# KiCad board pmic_panel.kicad_pcb (continued)
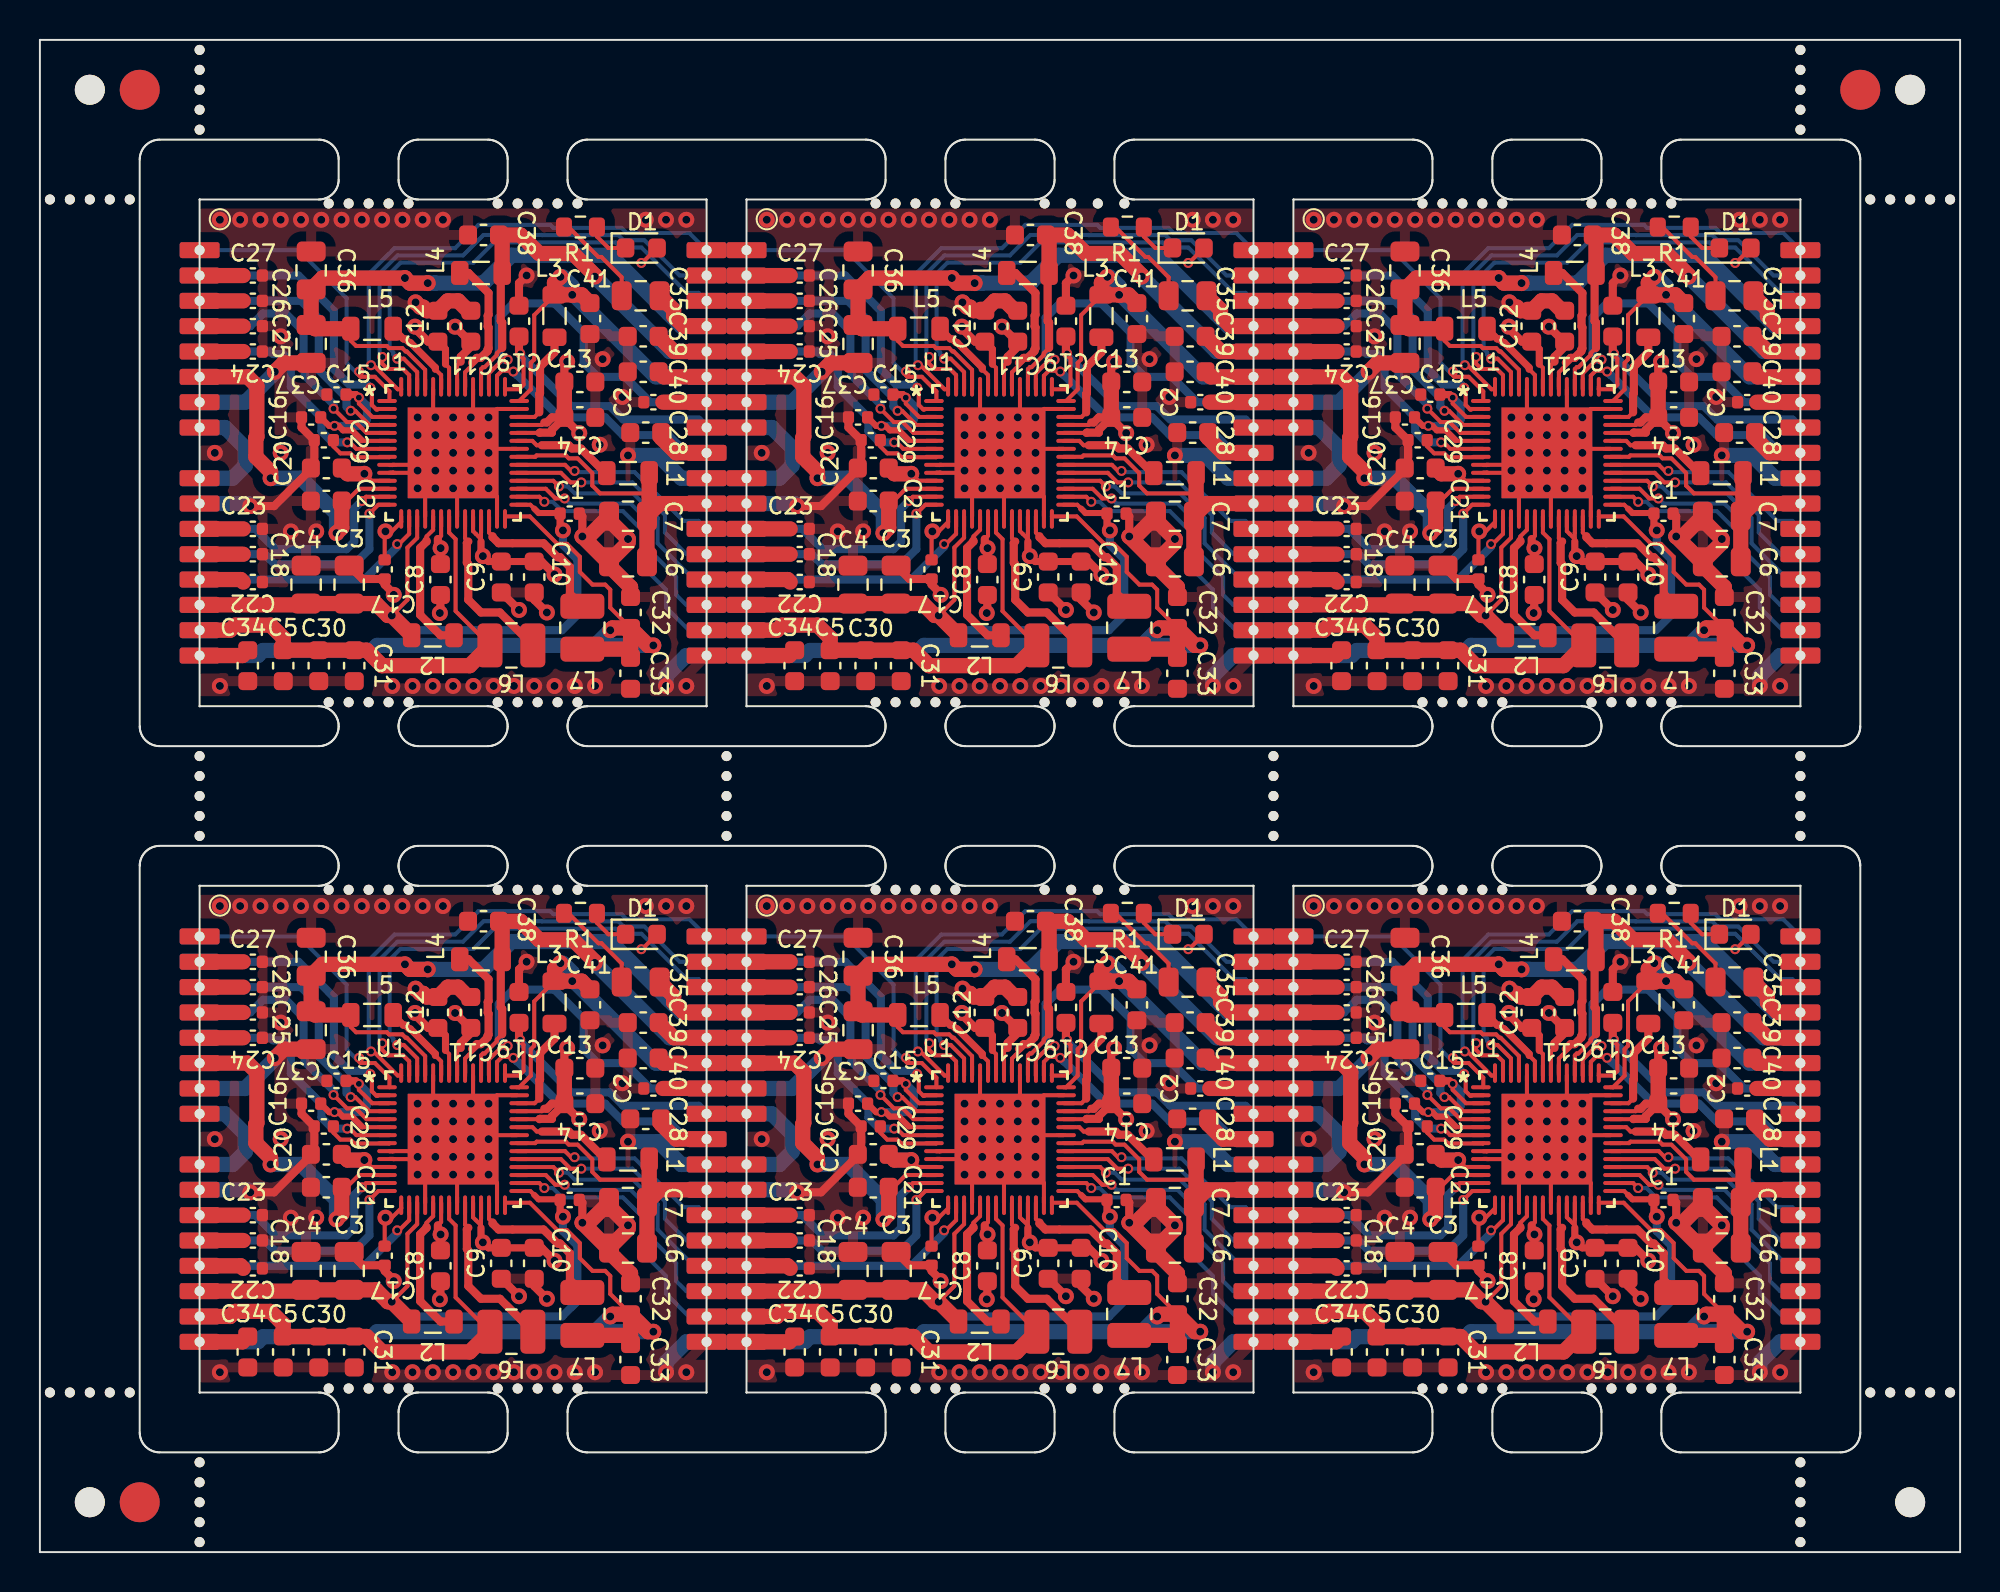
[diagram p0: board, top side]
## Placement (name value [footprint] x y rotation side) (continued)
KiKit_MB_24_3  -  [NPTH]  79.73 8.2 0 top
KiKit_MB_24_4  -  [NPTH]  78.73 8.2 0 top
KiKit_MB_24_5  -  [NPTH]  77.73 8.2 0 top
KiKit_MB_25_2  -  [NPTH]  8 39.9 0 top
KiKit_MB_25_3  -  [NPTH]  8 38.9 0 top
KiKit_MB_25_4  -  [NPTH]  8 37.9 0 top
KiKit_MB_25_5  -  [NPTH]  8 36.9 0 top
KiKit_MB_25_6  -  [NPTH]  8 35.9 0 top
KiKit_MB_26_2  -  [NPTH]  34.4 39.9 0 top
KiKit_MB_26_3  -  [NPTH]  34.4 38.9 0 top
KiKit_MB_26_4  -  [NPTH]  34.4 37.9 0 top
KiKit_MB_26_5  -  [NPTH]  34.4 36.9 0 top
KiKit_MB_26_6  -  [NPTH]  34.4 35.9 0 top
KiKit_MB_27_2  -  [NPTH]  61.8 35.9 0 top
KiKit_MB_27_3  -  [NPTH]  61.8 36.9 0 top
KiKit_MB_27_4  -  [NPTH]  61.8 37.9 0 top
KiKit_MB_27_5  -  [NPTH]  61.8 38.9 0 top
KiKit_MB_27_6  -  [NPTH]  61.8 39.9 0 top
KiKit_MB_28_2  -  [NPTH]  88.2 39.9 0 top
KiKit_MB_28_3  -  [NPTH]  88.2 38.9 0 top
KiKit_MB_28_4  -  [NPTH]  88.2 37.9 0 top
KiKit_MB_28_5  -  [NPTH]  88.2 36.9 0 top
KiKit_MB_28_6  -  [NPTH]  88.2 35.9 0 top
KiKit_MB_29_2  -  [NPTH]  8 75.3 0 top
KiKit_MB_29_3  -  [NPTH]  8 74.3 0 top
KiKit_MB_29_4  -  [NPTH]  8 73.3 0 top
KiKit_MB_29_5  -  [NPTH]  8 72.3 0 top
KiKit_MB_29_6  -  [NPTH]  8 71.3 0 top
KiKit_MB_30_2  -  [NPTH]  88.2 75.3 0 top
KiKit_MB_30_3  -  [NPTH]  88.2 74.3 0 top
KiKit_MB_30_4  -  [NPTH]  88.2 73.3 0 top
KiKit_MB_30_5  -  [NPTH]  88.2 72.3 0 top
KiKit_MB_30_6  -  [NPTH]  88.2 71.3 0 top
KiKit_MB_31_2  -  [NPTH]  8 4.5 0 top
KiKit_MB_31_3  -  [NPTH]  8 3.5 0 top
KiKit_MB_31_4  -  [NPTH]  8 2.5 0 top
KiKit_MB_31_5  -  [NPTH]  8 1.5 0 top
KiKit_MB_31_6  -  [NPTH]  8 0.5 0 top
KiKit_MB_32_2  -  [NPTH]  88.2 4.5 0 top
KiKit_MB_32_3  -  [NPTH]  88.2 3.5 0 top
KiKit_MB_32_4  -  [NPTH]  88.2 2.5 0 top
KiKit_MB_32_5  -  [NPTH]  88.2 1.5 0 top
KiKit_MB_32_6  -  [NPTH]  88.2 0.5 0 top
KiKit_MB_33_2  -  [NPTH]  0.5 67.8 0 top
KiKit_MB_33_3  -  [NPTH]  1.5 67.8 0 top
KiKit_MB_33_4  -  [NPTH]  2.5 67.8 0 top
KiKit_MB_33_5  -  [NPTH]  3.5 67.8 0 top
KiKit_MB_33_6  -  [NPTH]  4.5 67.8 0 top
KiKit_MB_34_2  -  [NPTH]  0.5 8 0 top
KiKit_MB_34_3  -  [NPTH]  1.5 8 0 top
KiKit_MB_34_4  -  [NPTH]  2.5 8 0 top
KiKit_MB_34_5  -  [NPTH]  3.5 8 0 top
KiKit_MB_34_6  -  [NPTH]  4.5 8 0 top
KiKit_MB_35_2  -  [NPTH]  91.7 67.8 0 top
KiKit_MB_35_3  -  [NPTH]  92.7 67.8 0 top
KiKit_MB_35_4  -  [NPTH]  93.7 67.8 0 top
KiKit_MB_35_5  -  [NPTH]  94.7 67.8 0 top
KiKit_MB_35_6  -  [NPTH]  95.7 67.8 0 top
KiKit_MB_36_2  -  [NPTH]  91.7 8 0 top
KiKit_MB_36_3  -  [NPTH]  92.7 8 0 top
KiKit_MB_36_4  -  [NPTH]  93.7 8 0 top
KiKit_MB_36_5  -  [NPTH]  94.7 8 0 top
KiKit_MB_36_6  -  [NPTH]  95.7 8 0 top
KiKit_TO_1  -  [NPTH#2]  2.5 73.3 0 top
KiKit_TO_2  -  [NPTH#2]  93.7 73.3 0 top
KiKit_TO_3  -  [NPTH#2]  2.5 2.5 0 top
KiKit_TO_4  -  [NPTH#2]  93.7 2.5 0 top
L1  DFE201610E-2R2M=P2 / 2.2u  [L_0805_2012Metric]  29.46 54.08 0 top
L1#2  DFE201610E-2R2M=P2 / 2.2u  [L_0805_2012Metric]  29.46 19.68 0 top
L1#3  DFE201610E-2R2M=P2 / 2.2u  [L_0805_2012Metric]  56.86 19.68 0 top
L1#4  DFE201610E-2R2M=P2 / 2.2u  [L_0805_2012Metric]  84.26 19.68 0 top
L1#5  DFE201610E-2R2M=P2 / 2.2u  [L_0805_2012Metric]  56.86 54.08 0 top
L1#6  DFE201610E-2R2M=P2 / 2.2u  [L_0805_2012Metric]  84.26 54.08 0 top
L2  DFE201610E-2R2M=P2 / 2.2u  [L_0805_2012Metric]  19.68 45.96 0 top
L2#2  DFE201610E-2R2M=P2 / 2.2u  [L_0805_2012Metric]  47.08 11.56 0 top
L2#3  DFE201610E-2R2M=P2 / 2.2u  [L_0805_2012Metric]  19.68 11.56 0 top
L2#4  DFE201610E-2R2M=P2 / 2.2u  [L_0805_2012Metric]  74.48 11.56 0 top
L2#5  DFE201610E-2R2M=P2 / 2.2u  [L_0805_2012Metric]  74.48 45.96 0 top
L2#6  DFE201610E-2R2M=P2 / 2.2u  [L_0805_2012Metric]  47.08 45.96 0 top
L3  DFE201610E-R68M=P2 / 0.68u  [L_0805_2012Metric]  25.78 61.96 90 top
L3#2  DFE201610E-R68M=P2 / 0.68u  [L_0805_2012Metric]  53.18 61.96 90 top
L3#3  DFE201610E-R68M=P2 / 0.68u  [L_0805_2012Metric]  80.58 27.56 90 top
L3#4  DFE201610E-R68M=P2 / 0.68u  [L_0805_2012Metric]  80.58 61.96 90 top
L3#5  DFE201610E-R68M=P2 / 0.68u  [L_0805_2012Metric]  25.78 27.56 90 top
L3#6  DFE201610E-R68M=P2 / 0.68u  [L_0805_2012Metric]  53.18 27.56 90 top
L4  DFE201610E-R68M=P2 / 0.68u  [L_0805_2012Metric]  76.9 64.12 0 top
L4#2  DFE201610E-R68M=P2 / 0.68u  [L_0805_2012Metric]  76.9 29.72 0 top
L4#3  DFE201610E-R68M=P2 / 0.68u  [L_0805_2012Metric]  49.5 29.72 0 top
L4#4  DFE201610E-R68M=P2 / 0.68u  [L_0805_2012Metric]  22.1 29.72 0 top
L4#5  DFE201610E-R68M=P2 / 0.68u  [L_0805_2012Metric]  22.1 64.12 0 top
L4#6  DFE201610E-R68M=P2 / 0.68u  [L_0805_2012Metric]  49.5 64.12 0 top
L5  DFE201610E-R68M=P2 / 0.68u  [L_0805_2012Metric]  16.64 26.92 180 top
L5#2  DFE201610E-R68M=P2 / 0.68u  [L_0805_2012Metric]  71.44 61.32 180 top
L5#3  DFE201610E-R68M=P2 / 0.68u  [L_0805_2012Metric]  16.64 61.32 180 top
L5#4  DFE201610E-R68M=P2 / 0.68u  [L_0805_2012Metric]  71.44 26.92 180 top
L5#5  DFE201610E-R68M=P2 / 0.68u  [L_0805_2012Metric]  44.04 61.32 180 top
L5#6  DFE201610E-R68M=P2 / 0.68u  [L_0805_2012Metric]  44.04 26.92 180 top
L6  DFE252012F-R68M=P2 / 0.68u  [L_1008_2520Metric]  78.42 11.05 0 top
L6#2  DFE252012F-R68M=P2 / 0.68u  [L_1008_2520Metric]  51.02 45.45 0 top
L6#3  DFE252012F-R68M=P2 / 0.68u  [L_1008_2520Metric]  78.42 45.45 0 top
L6#4  DFE252012F-R68M=P2 / 0.68u  [L_1008_2520Metric]  51.02 11.05 0 top
L6#5  DFE252012F-R68M=P2 / 0.68u  [L_1008_2520Metric]  23.62 45.45 0 top
L6#6  DFE252012F-R68M=P2 / 0.68u  [L_1008_2520Metric]  23.62 11.05 0 top
L7  DFE252012F-R68M=P2 / 0.68u  [L_1008_2520Metric]  27.18 46.34 90 top
L7#2  DFE252012F-R68M=P2 / 0.68u  [L_1008_2520Metric]  54.58 11.94 90 top
L7#3  DFE252012F-R68M=P2 / 0.68u  [L_1008_2520Metric]  54.58 46.34 90 top
L7#4  DFE252012F-R68M=P2 / 0.68u  [L_1008_2520Metric]  27.18 11.94 90 top
L7#5  DFE252012F-R68M=P2 / 0.68u  [L_1008_2520Metric]  81.98 46.34 90 top
L7#6  DFE252012F-R68M=P2 / 0.68u  [L_1008_2520Metric]  81.98 11.94 90 top
R1  1k  [R_0603_1608Metric]  54.48 66.42 180 top
R1#2  1k  [R_0603_1608Metric]  81.88 66.42 180 top
R1#3  1k  [R_0603_1608Metric]  27.08 66.42 180 top
R1#4  1k  [R_0603_1608Metric]  27.08 32.02 180 top
R1#5  1k  [R_0603_1608Metric]  81.88 32.02 180 top
R1#6  1k  [R_0603_1608Metric]  54.48 32.02 180 top
U1  STPMIC25BPQR  [WFQFN56L_6p5x6p5x0p9_STM]  75.5 55.1 0 top
U1#2  STPMIC25BPQR  [WFQFN56L_6p5x6p5x0p9_STM]  48.1 55.1 0 top
U1#3  STPMIC25BPQR  [WFQFN56L_6p5x6p5x0p9_STM]  20.7 20.7 0 top
U1#4  STPMIC25BPQR  [WFQFN56L_6p5x6p5x0p9_STM]  75.5 20.7 0 top
U1#5  STPMIC25BPQR  [WFQFN56L_6p5x6p5x0p9_STM]  48.1 20.7 0 top
U1#6  STPMIC25BPQR  [WFQFN56L_6p5x6p5x0p9_STM]  20.7 55.1 0 top
U2  ~  [jc_pmic_module]  20.7 20.7 0 top
U2#2  ~  [jc_pmic_module]  20.7 55.1 0 top
U2#3  ~  [jc_pmic_module]  75.5 55.1 0 top
U2#4  ~  [jc_pmic_module]  75.5 20.7 0 top
U2#5  ~  [jc_pmic_module]  48.1 55.1 0 top
U2#6  ~  [jc_pmic_module]  48.1 20.7 0 top

## Library data of the parts
C1 C1#2-C1#6 C2 C2#2-C2#6 C3 C3#2-C3#6 C4 C4#2-C4#6 C5 C5#2-C5#6 C6 C6#2-C6#6 C7 C7#2-C7#6 C8 C8#2-C8#6 C9 C9#2-C9#6 C10 C10#2-C10#6 C11 C11#2-C11#6 C12 C12#2-C12#6 C13 C13#2-C13#6 C14 C14#2-C14#6 C15 C15#2-C15#6 C16 C16#2-C16#6 C17 C17#2-C17#6 C18 C18#2-C18#6 C19 C19#2-C19#6 C20 C20#2-C20#6 C21 C21#2-C21#6 C22 C22#2-C22#6 C23 C23#2-C23#6 C24 C24#2-C24#6 C25 C25#2-C25#6 C26 C26#2-C26#6 C27 C27#2-C27#6 C28 C28#2-C28#6 C29 C29#2-C29#6 C30 C30#2-C30#6 C31 C31#2-C31#6 C32 C32#2-C32#6 C33 C33#2-C33#6 C34 C34#2-C34#6 C35 C35#2-C35#6 C36 C36#2-C36#6 C37 C37#2-C37#6 C38 C38#2-C38#6 C39 C39#2-C39#6 C40 C40#2-C40#6 C41 C41#2-C41#6 = -: Description: Unpolarized capacitor
D1 D1#2-D1#6 = -: Description: Light emitting diode; Sim.Pins: 1=K 2=A
L1 L1#2-L1#6 L2 L2#2-L2#6 L3 L3#2-L3#6 L4 L4#2-L4#6 L5 L5#2-L5#6 L6 L6#2-L6#6 L7 L7#2-L7#6 = -: Description: Inductor
R1 R1#2-R1#6 = -: Description: Resistor
U1 U1#2-U1#6 = -: Datasheet: https://www.st.com/resource/en/datasheet/stpmic25.pdf

## Footprints (pads in the part's own frame, mm; a bottom-side part is the same pattern mirrored in y, then rotated)
C_0402_1005Metric
  rrect 0.56x0.62 smd: 1(-0.48,0) 2(0.48,0)
C_0603_1608Metric
  rrect 0.9x0.95 smd: 1(-0.775,0) 2(0.775,0)
C_0805_2012Metric
  rrect 1x1.45 smd: 1(-0.95,0) 2(0.95,0)
Fiducial
  round 2 smd: (0,0)
jc_pmic_module
  rrect 2x0.8 hole 0.5: 1(-12.7,10.16) 2(-12.7,8.89) 3(-12.7,7.62) 4(-12.7,6.35) 5(-12.7,5.08) 6(-12.7,3.81) 7(-12.7,2.54) 8(-12.7,1.27) 9(-12.7,-1.27) 10(-12.7,-2.54) 11(-12.7,-3.81) 12(-12.7,-5.08) 13(-12.7,-6.35) 14(-12.7,-7.62) 15(-12.7,-8.89) 16(-12.7,-10.16) 17(12.7,-10.16) 18(12.7,-8.89) 19(12.7,-7.62) 20(12.7,-6.35) 21(12.7,-5.08) 22(12.7,-3.81) 23(12.7,-2.54) 24(12.7,-1.27) 25(12.7,0) 26(12.7,1.27) 27(12.7,2.54) 28(12.7,3.81) 29(12.7,5.08) 30(12.7,6.35) 31(12.7,7.62) 32(12.7,8.89) 33(12.7,10.16)
  rect 4.546x4.546 smd far side: 34(0,0)
L_0805_2012Metric
  rrect 0.875x1.2 smd: 1(-1.062,0) 2(1.062,0)
L_1008_2520Metric
  rrect 1.25x2.2 smd: 1(-1.075,0) 2(1.075,0)
LED_0603_1608Metric
  rrect 0.875x0.95 smd: 1(-0.787,0) 2(0.787,0)
NPTH
  round 0.5 hole 0.5 unplated: (0,0)
NPTH#2
  round 1.5 hole 1.5 unplated: (0,0)
R_0603_1608Metric
  rrect 0.8x0.95 smd: 1(-0.825,0) 2(0.825,0)
WFQFN56L_6p5x6p5x0p9_STM
  rrect 0.983x0.2 smd: 1(-3.311,2.6) 2(-3.311,2.2) 3(-3.311,1.8) 4(-3.311,1.4) 5(-3.311,1) 6(-3.311,0.6) 7(-3.311,0.2) 8(-3.311,-0.2) 9(-3.311,-0.6) 10(-3.311,-1) 11(-3.311,-1.4) 12(-3.311,-1.8) 13(-3.311,-2.2) 14(-3.311,-2.6) 29(3.311,-2.6) 30(3.311,-2.2) 31(3.311,-1.8) 32(3.311,-1.4) 33(3.311,-1) 34(3.311,-0.6) 35(3.311,-0.2) 36(3.311,0.2) 37(3.311,0.6) 38(3.311,1) 39(3.311,1.4) 40(3.311,1.8) 41(3.311,2.2) 42(3.311,2.6)
  rrect 0.2x0.983 smd: 15(-2.6,-3.311) 16(-2.2,-3.311) 17(-1.8,-3.311) 18(-1.4,-3.311) 19(-1,-3.311) 20(-0.6,-3.311) 21(-0.2,-3.311) 22(0.2,-3.311) 23(0.6,-3.311) 24(1,-3.311) 25(1.4,-3.311) 26(1.8,-3.311) 27(2.2,-3.311) 28(2.6,-3.311) 43(2.6,3.311) 44(2.2,3.311) 45(1.8,3.311) 46(1.4,3.311) 47(1,3.311) 48(0.6,3.311) 49(0.2,3.311) 50(-0.2,3.311) 51(-0.6,3.311) 52(-1,3.311) 53(-1.4,3.311) 54(-1.8,3.311) 55(-2.2,3.311) 56(-2.6,3.311)
  rect 4.547x4.547 smd: 57(0,0)

## Nets
Board_0-GND: C1#5.2 C2.2 C3#5.2 C4.2 C5.2 C6#3.2 C7#6.2 C8#2.2 C9#2.2 C10#2.2 C11#2.2 C12#6.2 C13.2 C14#2.2 C15#5.2 C16#6.2 C17#3.2 C18#4.2 C19#2.2 C20#5.2 C21#4.2 C22#6.2 C23.2 C24#5.2 C25#4.2 C26#3.2 C27#4.2 C28.2 C29#3.2 C30#2.2 C31#3.2 C32.2 C33#5.2 C34.2 C35#4.2 C36#3.2 C37#3.2 C38.2 C39#6.2 C40#5.2 C41#2.2 R1#3.2 U1#6.9 U1#6.10 U1#6.18 U1#6.22 U1#6.27 U1#6.36 U1#6.41 U1#6.47 U1#6.52 U1#6.57 U2#2.7 U2#2.10 U2#2.17 U2#2.24 U2#2.34
Board_0-INTLDO: C29#3.1 U1#6.8
Board_0-INTN: U1#6.32 U2#2.20
Board_0-LDO1OUT: C18#4.1 U1#6.14 U2#2.12
Board_0-LDO2OUT: C22#6.1 U1#6.16 U2#2.13
Board_0-LDO3IN: C19#2.1 U1#6.43 U2#2.26
Board_0-LDO3OUT: C28.1 U1#6.44 U2#2.25
Board_0-LDO4OUT: C23.1 U1#6.13 U2#2.11
Board_0-LDO5OUT: C24#5.1 U1#6.7 U2#2.5
Board_0-LDO6OUT: C25#4.1 U1#6.5 U2#2.4
Board_0-LDO7OUT: C26#3.1 U1#6.4 U2#2.3
Board_0-LDO8OUT: C27#4.1 U1#6.2 U2#2.2
Board_0-Net-(D1-K): D1.1 R1#3.1
Board_0-Net-(U1-VLX1): L3.1 U1#6.40
Board_0-Net-(U1-VLX2): L7.2 U1#6.26
Board_0-Net-(U1-VLX3): L6#5.2 U1#6.23
Board_0-Net-(U1-VLX4): L2.2 U1#6.19
Board_0-Net-(U1-VLX5): L1.1 U1#6.37
Board_0-Net-(U1-VLX6): L4#5.1 U1#6.48
Board_0-Net-(U1-VLX7): L5#3.1 U1#6.51
Board_0-PONKEYN: U1#6.1 U2#2.1
Board_0-PWRCTRL1: U1#6.56 U2#2.33
Board_0-PWRCTRL2: U1#6.55 U2#2.32
Board_0-PWRCTRL3: U1#6.54 U2#2.31
Board_0-RSTN: U1#6.31 U2#2.19
Board_0-SCL: U1#6.33 U2#2.21
Board_0-SDA: U1#6.34 U2#2.22
Board_0-VBUS: C21#4.1 U1#6.12 U2#2.6
Board_0-VIN: C8#2.1 C9#2.1 C10#2.1 C11#2.1 C12#6.1 C13.1 C14#2.1 C15#5.1 C16#6.1 C17#3.1 C20#5.1 U1#6.3 U1#6.6 U1#6.11 U1#6.15 U1#6.20 U1#6.24 U1#6.25 U1#6.38 U1#6.39 U1#6.49 U1#6.50 U2#2.8 U2#2.9
Board_0-VOUT1: C40#5.1 C41#2.1 L3.2 U1#6.42 U2#2.28
Board_0-VOUT2: C32.1 C33#5.1 C34.1 L7.1 U1#6.28 U2#2.16
Board_0-VOUT3: C5.1 C30#2.1 C31#3.1 L6#5.1 U1#6.21 U2#2.15
Board_0-VOUT4: C1#5.1 C3#5.1 C4.1 D1.2 L2.1 U1#6.17 U1#6.29 U2#2.14
Board_0-VOUT5: C6#3.1 C7#6.1 L1.2 U1#6.35 U2#2.23
Board_0-VOUT6: C38.1 C39#6.1 L4#5.2 U1#6.46 U2#2.29
Board_0-VOUT7: C35#4.1 C36#3.1 C37#3.1 L5#3.2 U1#6.53 U2#2.30
Board_0-VREFDDR: C2.1 U1#6.45 U2#2.27
Board_0-WAKEUPN: U1#6.30 U2#2.18
Board_1-GND: C1#3.2 C2#5.2 C3#4.2 C4#2.2 C5#2.2 C6#6.2 C7#2.2 C8#6.2 C9#5.2 C10#3.2 C11#5.2 C12#5.2 C13#4.2 C14#4.2 C15#4.2 C16#3.2 C17.2 C18#5.2 C19.2 C20#4.2 C21#6.2 C22.2 C23#3.2 C24#4.2 C25#3.2 C26#6.2 C27#6.2 C28#4.2 C29#4.2 C30#3.2 C31#2.2 C32#3.2 C33#6.2 C34#6.2 C35#2.2 C36#6.2 C37#5.2 C38#4.2 C39#2.2 C40#6.2 C41#3.2 R1.2 U1#2.9 U1#2.10 U1#2.18 U1#2.22 U1#2.27 U1#2.36 U1#2.41 U1#2.47 U1#2.52 U1#2.57 U2#5.7 U2#5.10 U2#5.17 U2#5.24 U2#5.34
Board_1-INTLDO: C29#4.1 U1#2.8
Board_1-INTN: U1#2.32 U2#5.20
Board_1-LDO1OUT: C18#5.1 U1#2.14 U2#5.12
Board_1-LDO2OUT: C22.1 U1#2.16 U2#5.13
Board_1-LDO3IN: C19.1 U1#2.43 U2#5.26
Board_1-LDO3OUT: C28#4.1 U1#2.44 U2#5.25
Board_1-LDO4OUT: C23#3.1 U1#2.13 U2#5.11
Board_1-LDO5OUT: C24#4.1 U1#2.7 U2#5.5
Board_1-LDO6OUT: C25#3.1 U1#2.5 U2#5.4
Board_1-LDO7OUT: C26#6.1 U1#2.4 U2#5.3
Board_1-LDO8OUT: C27#6.1 U1#2.2 U2#5.2
Board_1-Net-(D1-K): D1#6.1 R1.1
Board_1-Net-(U1-VLX1): L3#2.1 U1#2.40
Board_1-Net-(U1-VLX2): L7#3.2 U1#2.26
Board_1-Net-(U1-VLX3): L6#2.2 U1#2.23
Board_1-Net-(U1-VLX4): L2#6.2 U1#2.19
Board_1-Net-(U1-VLX5): L1#5.1 U1#2.37
Board_1-Net-(U1-VLX6): L4#6.1 U1#2.48
Board_1-Net-(U1-VLX7): L5#5.1 U1#2.51
Board_1-PONKEYN: U1#2.1 U2#5.1
Board_1-PWRCTRL1: U1#2.56 U2#5.33
Board_1-PWRCTRL2: U1#2.55 U2#5.32
Board_1-PWRCTRL3: U1#2.54 U2#5.31
Board_1-RSTN: U1#2.31 U2#5.19
Board_1-SCL: U1#2.33 U2#5.21
Board_1-SDA: U1#2.34 U2#5.22
Board_1-VBUS: C21#6.1 U1#2.12 U2#5.6
Board_1-VIN: C8#6.1 C9#5.1 C10#3.1 C11#5.1 C12#5.1 C13#4.1 C14#4.1 C15#4.1 C16#3.1 C17.1 C20#4.1 U1#2.3 U1#2.6 U1#2.11 U1#2.15 U1#2.20 U1#2.24 U1#2.25 U1#2.38 U1#2.39 U1#2.49 U1#2.50 U2#5.8 U2#5.9
Board_1-VOUT1: C40#6.1 C41#3.1 L3#2.2 U1#2.42 U2#5.28
Board_1-VOUT2: C32#3.1 C33#6.1 C34#6.1 L7#3.1 U1#2.28 U2#5.16
Board_1-VOUT3: C5#2.1 C30#3.1 C31#2.1 L6#2.1 U1#2.21 U2#5.15
Board_1-VOUT4: C1#3.1 C3#4.1 C4#2.1 D1#6.2 L2#6.1 U1#2.17 U1#2.29 U2#5.14
Board_1-VOUT5: C6#6.1 C7#2.1 L1#5.2 U1#2.35 U2#5.23
Board_1-VOUT6: C38#4.1 C39#2.1 L4#6.2 U1#2.46 U2#5.29
Board_1-VOUT7: C35#2.1 C36#6.1 C37#5.1 L5#5.2 U1#2.53 U2#5.30
Board_1-VREFDDR: C2#5.1 U1#2.45 U2#5.27
Board_1-WAKEUPN: U1#2.30 U2#5.18
Board_2-GND: C1#6.2 C2#3.2 C3.2 C4#3.2 C5#3.2 C6#5.2 C7#3.2 C8.2 C9.2 C10#4.2 C11.2 C12.2 C13#2.2 C14.2 C15#2.2 C16#5.2 C17#2.2 C18#6.2 C19#3.2 C20#6.2 C21.2 C22#5.2 C23#2.2 C24#2.2 C25#6.2 C26.2 C27#5.2 C28#2.2 C29#5.2 C30.2 C31#6.2 C32#6.2 C33.2 C34#2.2 C35#5.2 C36#2.2 C37.2 C38#6.2 C39.2 C40#4.2 C41#6.2 R1#2.2 U1.9 U1.10 U1.18 U1.22 U1.27 U1.36 U1.41 U1.47 U1.52 U1.57 U2#3.7 U2#3.10 U2#3.17 U2#3.24 U2#3.34
Board_2-INTLDO: C29#5.1 U1.8
Board_2-INTN: U1.32 U2#3.20
Board_2-LDO1OUT: C18#6.1 U1.14 U2#3.12
Board_2-LDO2OUT: C22#5.1 U1.16 U2#3.13
Board_2-LDO3IN: C19#3.1 U1.43 U2#3.26
Board_2-LDO3OUT: C28#2.1 U1.44 U2#3.25
Board_2-LDO4OUT: C23#2.1 U1.13 U2#3.11
Board_2-LDO5OUT: C24#2.1 U1.7 U2#3.5
Board_2-LDO6OUT: C25#6.1 U1.5 U2#3.4
Board_2-LDO7OUT: C26.1 U1.4 U2#3.3
Board_2-LDO8OUT: C27#5.1 U1.2 U2#3.2
Board_2-Net-(D1-K): D1#4.1 R1#2.1
Board_2-Net-(U1-VLX1): L3#4.1 U1.40
Board_2-Net-(U1-VLX2): L7#5.2 U1.26
Board_2-Net-(U1-VLX3): L6#3.2 U1.23
Board_2-Net-(U1-VLX4): L2#5.2 U1.19
Board_2-Net-(U1-VLX5): L1#6.1 U1.37
Board_2-Net-(U1-VLX6): L4.1 U1.48
Board_2-Net-(U1-VLX7): L5#2.1 U1.51
Board_2-PONKEYN: U1.1 U2#3.1
Board_2-PWRCTRL1: U1.56 U2#3.33
Board_2-PWRCTRL2: U1.55 U2#3.32
Board_2-PWRCTRL3: U1.54 U2#3.31
Board_2-RSTN: U1.31 U2#3.19
Board_2-SCL: U1.33 U2#3.21
Board_2-SDA: U1.34 U2#3.22
Board_2-VBUS: C21.1 U1.12 U2#3.6
Board_2-VIN: C8.1 C9.1 C10#4.1 C11.1 C12.1 C13#2.1 C14.1 C15#2.1 C16#5.1 C17#2.1 C20#6.1 U1.3 U1.6 U1.11 U1.15 U1.20 U1.24 U1.25 U1.38 U1.39 U1.49 U1.50 U2#3.8 U2#3.9
Board_2-VOUT1: C40#4.1 C41#6.1 L3#4.2 U1.42 U2#3.28
Board_2-VOUT2: C32#6.1 C33.1 C34#2.1 L7#5.1 U1.28 U2#3.16
Board_2-VOUT3: C5#3.1 C30.1 C31#6.1 L6#3.1 U1.21 U2#3.15
Board_2-VOUT4: C1#6.1 C3.1 C4#3.1 D1#4.2 L2#5.1 U1.17 U1.29 U2#3.14
Board_2-VOUT5: C6#5.1 C7#3.1 L1#6.2 U1.35 U2#3.23
Board_2-VOUT6: C38#6.1 C39.1 L4.2 U1.46 U2#3.29
Board_2-VOUT7: C35#5.1 C36#2.1 C37.1 L5#2.2 U1.53 U2#3.30
Board_2-VREFDDR: C2#3.1 U1.45 U2#3.27
Board_2-WAKEUPN: U1.30 U2#3.18
Board_3-GND: C1#2.2 C2#2.2 C3#2.2 C4#6.2 C5#5.2 C6#4.2 C7#5.2 C8#4.2 C9#3.2 C10#5.2 C11#4.2 C12#4.2 C13#5.2 C14#5.2 C15#6.2 C16#4.2 C17#6.2 C18#3.2 C19#5.2 C20#3.2 C21#2.2 C22#3.2 C23#4.2 C24.2 C25.2 C26#5.2 C27.2 C28#5.2 C29.2 C30#4.2 C31#4.2 C32#4.2 C33#4.2 C34#3.2 C35.2 C36#4.2 C37#4.2 C38#5.2 C39#5.2 C40.2 C41.2 R1#4.2 U1#3.9 U1#3.10 U1#3.18 U1#3.22 U1#3.27 U1#3.36 U1#3.41 U1#3.47 U1#3.52 U1#3.57 U2.7 U2.10 U2.17 U2.24 U2.34
Board_3-INTLDO: C29.1 U1#3.8
Board_3-INTN: U1#3.32 U2.20
Board_3-LDO1OUT: C18#3.1 U1#3.14 U2.12
Board_3-LDO2OUT: C22#3.1 U1#3.16 U2.13
Board_3-LDO3IN: C19#5.1 U1#3.43 U2.26
Board_3-LDO3OUT: C28#5.1 U1#3.44 U2.25
Board_3-LDO4OUT: C23#4.1 U1#3.13 U2.11
Board_3-LDO5OUT: C24.1 U1#3.7 U2.5
Board_3-LDO6OUT: C25.1 U1#3.5 U2.4
Board_3-LDO7OUT: C26#5.1 U1#3.4 U2.3
Board_3-LDO8OUT: C27.1 U1#3.2 U2.2
Board_3-Net-(D1-K): D1#5.1 R1#4.1
Board_3-Net-(U1-VLX1): L3#5.1 U1#3.40
Board_3-Net-(U1-VLX2): L7#4.2 U1#3.26
Board_3-Net-(U1-VLX3): L6#6.2 U1#3.23
Board_3-Net-(U1-VLX4): L2#3.2 U1#3.19
Board_3-Net-(U1-VLX5): L1#2.1 U1#3.37
Board_3-Net-(U1-VLX6): L4#4.1 U1#3.48
Board_3-Net-(U1-VLX7): L5.1 U1#3.51
Board_3-PONKEYN: U1#3.1 U2.1
Board_3-PWRCTRL1: U1#3.56 U2.33
Board_3-PWRCTRL2: U1#3.55 U2.32
Board_3-PWRCTRL3: U1#3.54 U2.31
Board_3-RSTN: U1#3.31 U2.19
Board_3-SCL: U1#3.33 U2.21
Board_3-SDA: U1#3.34 U2.22
Board_3-VBUS: C21#2.1 U1#3.12 U2.6
Board_3-VIN: C8#4.1 C9#3.1 C10#5.1 C11#4.1 C12#4.1 C13#5.1 C14#5.1 C15#6.1 C16#4.1 C17#6.1 C20#3.1 U1#3.3 U1#3.6 U1#3.11 U1#3.15 U1#3.20 U1#3.24 U1#3.25 U1#3.38 U1#3.39 U1#3.49 U1#3.50 U2.8 U2.9
Board_3-VOUT1: C40.1 C41.1 L3#5.2 U1#3.42 U2.28
Board_3-VOUT2: C32#4.1 C33#4.1 C34#3.1 L7#4.1 U1#3.28 U2.16
Board_3-VOUT3: C5#5.1 C30#4.1 C31#4.1 L6#6.1 U1#3.21 U2.15
Board_3-VOUT4: C1#2.1 C3#2.1 C4#6.1 D1#5.2 L2#3.1 U1#3.17 U1#3.29 U2.14
Board_3-VOUT5: C6#4.1 C7#5.1 L1#2.2 U1#3.35 U2.23
Board_3-VOUT6: C38#5.1 C39#5.1 L4#4.2 U1#3.46 U2.29
Board_3-VOUT7: C35.1 C36#4.1 C37#4.1 L5.2 U1#3.53 U2.30
Board_3-VREFDDR: C2#2.1 U1#3.45 U2.27
Board_3-WAKEUPN: U1#3.30 U2.18
Board_4-GND: C1#4.2 C2#6.2 C3#6.2 C4#4.2 C5#4.2 C6#2.2 C7#4.2 C8#5.2 C9#4.2 C10.2 C11#6.2 C12#3.2 C13#6.2 C14#3.2 C15.2 C16.2 C17#4.2 C18#2.2 C19#6.2 C20#2.2 C21#3.2 C22#4.2 C23#6.2 C24#6.2 C25#5.2 C26#2.2 C27#3.2 C28#3.2 C29#6.2 C30#6.2 C31#5.2 C32#2.2 C33#3.2 C34#4.2 C35#3.2 C36.2 C37#6.2 C38#3.2 C39#3.2 C40#3.2 C41#5.2 R1#6.2 U1#5.9 U1#5.10 U1#5.18 U1#5.22 U1#5.27 U1#5.36 U1#5.41 U1#5.47 U1#5.52 U1#5.57 U2#6.7 U2#6.10 U2#6.17 U2#6.24 U2#6.34
Board_4-INTLDO: C29#6.1 U1#5.8
Board_4-INTN: U1#5.32 U2#6.20
Board_4-LDO1OUT: C18#2.1 U1#5.14 U2#6.12
Board_4-LDO2OUT: C22#4.1 U1#5.16 U2#6.13
Board_4-LDO3IN: C19#6.1 U1#5.43 U2#6.26
Board_4-LDO3OUT: C28#3.1 U1#5.44 U2#6.25
Board_4-LDO4OUT: C23#6.1 U1#5.13 U2#6.11
Board_4-LDO5OUT: C24#6.1 U1#5.7 U2#6.5
Board_4-LDO6OUT: C25#5.1 U1#5.5 U2#6.4
Board_4-LDO7OUT: C26#2.1 U1#5.4 U2#6.3
Board_4-LDO8OUT: C27#3.1 U1#5.2 U2#6.2
Board_4-Net-(D1-K): D1#3.1 R1#6.1
Board_4-Net-(U1-VLX1): L3#6.1 U1#5.40
Board_4-Net-(U1-VLX2): L7#2.2 U1#5.26
Board_4-Net-(U1-VLX3): L6#4.2 U1#5.23
Board_4-Net-(U1-VLX4): L2#2.2 U1#5.19
Board_4-Net-(U1-VLX5): L1#3.1 U1#5.37
Board_4-Net-(U1-VLX6): L4#3.1 U1#5.48
Board_4-Net-(U1-VLX7): L5#6.1 U1#5.51
Board_4-PONKEYN: U1#5.1 U2#6.1
Board_4-PWRCTRL1: U1#5.56 U2#6.33
Board_4-PWRCTRL2: U1#5.55 U2#6.32
Board_4-PWRCTRL3: U1#5.54 U2#6.31
Board_4-RSTN: U1#5.31 U2#6.19
Board_4-SCL: U1#5.33 U2#6.21
Board_4-SDA: U1#5.34 U2#6.22
Board_4-VBUS: C21#3.1 U1#5.12 U2#6.6
Board_4-VIN: C8#5.1 C9#4.1 C10.1 C11#6.1 C12#3.1 C13#6.1 C14#3.1 C15.1 C16.1 C17#4.1 C20#2.1 U1#5.3 U1#5.6 U1#5.11 U1#5.15 U1#5.20 U1#5.24 U1#5.25 U1#5.38 U1#5.39 U1#5.49 U1#5.50 U2#6.8 U2#6.9
Board_4-VOUT1: C40#3.1 C41#5.1 L3#6.2 U1#5.42 U2#6.28
Board_4-VOUT2: C32#2.1 C33#3.1 C34#4.1 L7#2.1 U1#5.28 U2#6.16
Board_4-VOUT3: C5#4.1 C30#6.1 C31#5.1 L6#4.1 U1#5.21 U2#6.15
Board_4-VOUT4: C1#4.1 C3#6.1 C4#4.1 D1#3.2 L2#2.1 U1#5.17 U1#5.29 U2#6.14
Board_4-VOUT5: C6#2.1 C7#4.1 L1#3.2 U1#5.35 U2#6.23
Board_4-VOUT6: C38#3.1 C39#3.1 L4#3.2 U1#5.46 U2#6.29
Board_4-VOUT7: C35#3.1 C36.1 C37#6.1 L5#6.2 U1#5.53 U2#6.30
Board_4-VREFDDR: C2#6.1 U1#5.45 U2#6.27
Board_4-WAKEUPN: U1#5.30 U2#6.18
Board_5-GND: C1.2 C2#4.2 C3#3.2 C4#5.2 C5#6.2 C6.2 C7.2 C8#3.2 C9#6.2 C10#6.2 C11#3.2 C12#2.2 C13#3.2 C14#6.2 C15#3.2 C16#2.2 C17#5.2 C18.2 C19#4.2 C20.2 C21#5.2 C22#2.2 C23#5.2 C24#3.2 C25#2.2 C26#4.2 C27#2.2 C28#6.2 C29#2.2 C30#5.2 C31.2 C32#5.2 C33#2.2 C34#5.2 C35#6.2 C36#5.2 C37#2.2 C38#2.2 C39#4.2 C40#2.2 C41#4.2 R1#5.2 U1#4.9 U1#4.10 U1#4.18 U1#4.22 U1#4.27 U1#4.36 U1#4.41 U1#4.47 U1#4.52 U1#4.57 U2#4.7 U2#4.10 U2#4.17 U2#4.24 U2#4.34
Board_5-INTLDO: C29#2.1 U1#4.8
Board_5-INTN: U1#4.32 U2#4.20
Board_5-LDO1OUT: C18.1 U1#4.14 U2#4.12
Board_5-LDO2OUT: C22#2.1 U1#4.16 U2#4.13
Board_5-LDO3IN: C19#4.1 U1#4.43 U2#4.26
Board_5-LDO3OUT: C28#6.1 U1#4.44 U2#4.25
Board_5-LDO4OUT: C23#5.1 U1#4.13 U2#4.11
Board_5-LDO5OUT: C24#3.1 U1#4.7 U2#4.5
Board_5-LDO6OUT: C25#2.1 U1#4.5 U2#4.4
Board_5-LDO7OUT: C26#4.1 U1#4.4 U2#4.3
Board_5-LDO8OUT: C27#2.1 U1#4.2 U2#4.2
Board_5-Net-(D1-K): D1#2.1 R1#5.1
Board_5-Net-(U1-VLX1): L3#3.1 U1#4.40
Board_5-Net-(U1-VLX2): L7#6.2 U1#4.26
Board_5-Net-(U1-VLX3): L6.2 U1#4.23
Board_5-Net-(U1-VLX4): L2#4.2 U1#4.19
Board_5-Net-(U1-VLX5): L1#4.1 U1#4.37
Board_5-Net-(U1-VLX6): L4#2.1 U1#4.48
Board_5-Net-(U1-VLX7): L5#4.1 U1#4.51
Board_5-PONKEYN: U1#4.1 U2#4.1
Board_5-PWRCTRL1: U1#4.56 U2#4.33
Board_5-PWRCTRL2: U1#4.55 U2#4.32
Board_5-PWRCTRL3: U1#4.54 U2#4.31
Board_5-RSTN: U1#4.31 U2#4.19
Board_5-SCL: U1#4.33 U2#4.21
Board_5-SDA: U1#4.34 U2#4.22
Board_5-VBUS: C21#5.1 U1#4.12 U2#4.6
Board_5-VIN: C8#3.1 C9#6.1 C10#6.1 C11#3.1 C12#2.1 C13#3.1 C14#6.1 C15#3.1 C16#2.1 C17#5.1 C20.1 U1#4.3 U1#4.6 U1#4.11 U1#4.15 U1#4.20 U1#4.24 U1#4.25 U1#4.38 U1#4.39 U1#4.49 U1#4.50 U2#4.8 U2#4.9
Board_5-VOUT1: C40#2.1 C41#4.1 L3#3.2 U1#4.42 U2#4.28
Board_5-VOUT2: C32#5.1 C33#2.1 C34#5.1 L7#6.1 U1#4.28 U2#4.16
Board_5-VOUT3: C5#6.1 C30#5.1 C31.1 L6.1 U1#4.21 U2#4.15
Board_5-VOUT4: C1.1 C3#3.1 C4#5.1 D1#2.2 L2#4.1 U1#4.17 U1#4.29 U2#4.14
Board_5-VOUT5: C6.1 C7.1 L1#4.2 U1#4.35 U2#4.23
Board_5-VOUT6: C38#2.1 C39#4.1 L4#2.2 U1#4.46 U2#4.29
Board_5-VOUT7: C35#6.1 C36#5.1 C37#2.1 L5#4.2 U1#4.53 U2#4.30
Board_5-VREFDDR: C2#4.1 U1#4.45 U2#4.27
Board_5-WAKEUPN: U1#4.30 U2#4.18

## Via types
v1: diameter 0.8, hole 0.4, Top to Bottom, 558 vias
v2: diameter 0.5, hole 0.3, Top to Bottom, 132 vias

## Routing (per net, layer and track width the routed paths; a pad name or vN(x,y) marks a point on that pad's centre or on a via; arc(x,y) is an arc through that point)
Board_0-GND: length 63.2
  Top w0.203: 19.3,51.91 19.3,52.94 v1(18.92,53.32) ; C35#4.2 29.15,63.9 28.13,64.92 27.98,64.92 26.48,66.42 R1#3.2 ; 22.9,51.91 22.9,52.9 v1(22.48,53.32) ; 19.7,58.29 19.7,56.99 v1(19.81,56.88) ; v1(20.7,53.32) 20.9,53.12 20.9,51.91 ; 17.51,54.11 17.69,54.11 17.7,54.1 18.81,54.1 v1(18.92,54.21) 18.63,54.5 17.69,54.5 17.68,54.49 17.51,54.49 ; v1(22.48,56.88) 22.9,57.3 23.89,57.3 ; 21.7,58.29 21.7,56.99 v1(21.59,56.88) ; v1(22.48,55.1) 22.68,55.3 23.89,55.3
  Top w0.406: v1(10.54,52.43) 11.73,52.43 13.57,54.27 C20#5.2 13.74,54.51 C29#3.2 13.11,56.37 C16#6.2 ; C1#5.2 27.05,52.05 27.18,51.92 v1(27.18,50.91) ; v1(25.4,47.1) 24.76,47.73 C10#2.2 ; v1(17.73,47.98) 17.73,48.04 17.27,48.5 C17#3.2 16.16,48.78 C3#5.2 ; v1(20.04,47.07) 20.06,47.1 C8#2.2 ; C9#2.2 23.13,48.1 v1(24,47.23) ; v1(24.38,63.99) 24,63.61 C19#2.2
  Top w0.762: C37#3.2 12.22,59.61 v1(11.77,59.16) ; v1(18.82,62.64) 19.06,62.41 19.2,62.41 19.38,62.22 C12#6.2 20.43,62.72 20.95,62.72 21.45,62.22 C11#2.2 ; C6#3.2 28.45,49.64 v1(27.18,50.91) 27.5,50.91 C7#6.2 28.51,51.73 v1(29.46,50.78) 29.46,50.59 C6#3.2 ; C6#3.2 28.51,49.45 29.59,48.37 C32.2
  Bottom w0.762: v1(29.46,54.97) 30.99,54.97 32.13,53.83 U2#2.24 ; v1(31.37,43.42) 31.37,43.92 32.38,44.94 U2#2.17 ; U2#2.10 10.41,52.56 v1(10.54,52.43) ; U2#2.7 10.29,57.64 11.77,59.12 v1(11.77,59.16)
  vias: v1(8.76,55.1) v1(9.02,66.78) v1(9.02,43.42) v1(10.03,66.78) v1(11.05,66.78) v1(12.06,66.78) v1(12.06,60.94) v1(12.57,51.16) v1(13.08,66.78) v1(13.84,51.16) v1(14.1,66.78) v1(15.11,66.78) v1(16.13,66.78) v1(17.14,66.78) v1(17.65,43.42) v1(18.16,66.78) v1(18.67,43.42) v1(18.92,56.88) v1(18.92,55.99) v1(18.92,55.1) v1(19.18,66.78) v1(19.68,43.42) v1(19.81,55.99) v1(19.81,55.1) v1(19.81,54.21) v1(19.81,53.32) v1(20.19,66.78) v1(20.7,56.88) v1(20.7,55.99) v1(20.7,55.1) v1(20.7,54.21) v1(20.7,43.42) v1(21.59,55.99) v1(21.59,55.1) v1(21.59,54.21) v1(21.59,53.32) v1(21.72,43.42) v1(22.48,55.99) v1(22.48,54.21) v1(22.73,43.42) v1(23.75,43.42) v1(24.76,43.42) v1(25.78,43.42) v1(26.8,43.42) v1(27.81,43.42) v1(28.05,55.51) v1(28.19,59.8) v1(29.18,57.9) v1(30.35,66.78) v1(31.37,66.78) v1(32.38,66.78) v1(32.38,43.42)
Board_0-INTLDO: length 3.3
  Top w0.203: C29#3.1 14.7,55.43 15.05,55.08 15.56,55.08 15.75,54.88 17.5,54.88 17.51,54.89
Board_0-INTN: length 12.3
  Top w0.203: v2(26,53.42) 25.72,53.7 23.89,53.7
  Bottom w0.203: U2#2.20 32.76,48.75 30.95,50.56 30.95,51.83 29.72,53.07 26.8,53.07 26.45,53.42 v2(26,53.42)
Board_0-LDO1OUT: length 14.2
  Top w0.203: v2(16.51,52.05) 16.96,52.5 17.51,52.5
  Top w0.762: U2#2.12 10.19,50.02
  Bottom w0.406: U2#2.12 11.26,50.02 11.77,49.51 15.75,49.51 16.51,50.27 v2(16.51,52.05)
Board_0-LDO2OUT: length 14.6
  Top w0.203: v2(17.9,50.53) 17.99,50.53 18.5,51.04 18.5,51.91
  Top w0.762: 10.19,48.62 10.06,48.75 U2#2.13
  Bottom w0.406: v2(17.9,50.53) 17.9,50.4 16.25,48.75 U2#2.13
Board_0-LDO3IN: length 14.6
  Top w0.203: v2(24.06,60.08) 24.06,59.99 24.23,59.83 24.23,58.52 24,58.29 23.3,58.29 U1#6.43
  Top w0.406: v2(24.06,60.08) 24,60.14 24,60.93
  Bottom w0.406: U2#2.26 33,56.77 29.23,56.77 28.55,57.44 26.61,57.44 24.06,59.99 v2(24.06,60.08)
Board_0-LDO3OUT: length 15.8
  Top w0.203: v2(23.72,59.18) 23.67,59.22 23.15,59.22 22.9,58.97 22.9,58.29
  Top w0.762: U2#2.25 31.88,55.1 31.13,55.85 C28.1
  Bottom w0.406: U2#2.25 32.38,55.1 31.5,55.99 29.21,55.99 28.32,56.88 26.03,56.88 23.91,59 23.89,59 v2(23.72,59.18)
Board_0-LDO4OUT: length 14.2
  Top w0.203: v2(16.13,52.69) 16.34,52.9 17.51,52.9
  Top w0.762: U2#2.11 10.19,51.29
  Bottom w0.406: v2(16.13,52.69) 15.75,52.31 15.75,50.65 15.37,50.27 11.81,50.27 10.79,51.29 U2#2.11
Board_0-LDO5OUT: length 14.9
  Top w0.203: 17.51,55.3 15.85,55.3 15.53,55.63 v2(15.4,55.63)
  Top w0.762: U2#2.5 10.19,60.18
  Bottom w0.406: v2(15.4,55.63) 14.66,55.63 14.1,56.18 14.1,56.87 12.57,58.4 12.57,59.67 12.19,60.05 11.68,60.05 11.56,60.18 U2#2.5
Board_0-LDO6OUT: length 15.8
  Top w0.203: 17.51,56.1 16.36,56.1 15.82,56.64 15.38,56.64 v2(14.71,57.32)
  Top w0.762: U2#2.4 10.19,61.45
  Bottom w0.406: U2#2.4 10.54,61.45 11.17,62.08 12.32,62.08 13.21,61.2 13.21,59.58 13.27,59.53 13.27,58.98 14.71,57.53 v2(14.71,57.32)
Board_0-LDO7OUT: length 16
  Top w0.203: v2(15.57,57.21) 15.8,57.21 16.5,56.5 17.51,56.5
  Top w0.762: U2#2.3 10.19,62.72
  Bottom w0.406: v2(15.57,57.21) 15.36,57.42 15.36,57.86 13.97,59.25 13.97,61.83 13.08,62.72 U2#2.3
Board_0-LDO8OUT: length 16.7
  Top w0.203: v2(16.55,58.36) 16.63,58.29 16.63,57.5 16.86,57.28 16.91,57.28 16.94,57.3 17.51,57.3
  Top w0.762: U2#2.2 10.19,63.99
  Bottom w0.406: U2#2.2 12.95,63.99 14.73,62.21 14.73,59.29 15.5,58.52 16.39,58.52 v2(16.55,58.36)
Board_0-Net-(D1-K): length 2.2
  Top w0.203: D1.1 28.48,65.37 27.91,65.94 R1#3.1
Board_0-Net-(U1-VLX1): length 5.3
  Top w0.203: 23.89,56.9 24.79,56.9 25.02,57.13
  Top w0.406: 25.02,57.13 25.02,58.05 25.06,58.09 25.06,59.42 25.78,60.14 L3.1
Board_0-Net-(U1-VLX2): length 7.8
  Top w0.203: 22.5,51.91 22.5,51.1 22.68,50.92
  Top w0.406: 22.68,50.92 22.68,50.87 22.98,50.57 25.23,50.57 25.93,49.87 26.06,49.87 26.55,49.38 26.55,48.04 L7.2
Board_0-Net-(U1-VLX3): length 8.5
  Top w0.203: 21.46,50.65 21.3,50.82 21.3,51.91
  Top w0.406: L6#5.2 23.04,47.1 22.1,47.1 21.46,47.73 21.46,49.52 21.39,49.59 21.39,50.58 21.46,50.65
Board_0-Net-(U1-VLX4): length 7.3
  Top w0.203: 19.37,50.71 19.37,50.91 19.7,51.24 19.7,51.91
  Top w0.406: L2.2 20.07,45.96 19.05,46.98 19.05,50.33 19.37,50.65 19.37,50.71
Board_0-Net-(U1-VLX5): length 5.2
  Top w0.203: 25.14,55.48 24.89,55.48 24.67,55.7 23.89,55.7
  Top w0.406: 25.14,55.48 26.5,55.48 26.66,55.32 27.1,55.32 28.33,54.08 L1.1
Board_0-Net-(U1-VLX6): length 7.8
  Top w0.203: 21.3,58.29 21.3,58.88 ; 21.63,59.62 21.63,59.47 21.3,59.14 U1#6.48
  Top w0.406: L4#5.1 21.47,64.12 22.48,63.11 22.48,62.02 22.43,61.97 22.43,61.43 22.48,61.39 22.48,60.33 22.43,60.29 22.43,60.2 22.09,59.86 21.89,59.86 21.65,59.62
Board_0-Net-(U1-VLX7): length 4.1
  Top w0.203: 20.1,58.29 20.1,59 19.81,59.29
  Top w0.356: 19.81,59.29 19.81,59.37 18.56,60.62 18.5,60.62 18.32,60.81 18.21,60.81 L5#3.1
Board_0-PONKEYN: length 15
  Top w0.203: v2(15.99,59.18) 15.99,58.98 16.06,58.91 16.78,58.91 17.51,58.18 17.51,57.7
  Bottom w0.203: v2(15.99,59.18) 15.94,59.13 15.85,59.13 15.37,59.61 15.37,62.85 12.95,65.26 U2#2.1
Board_0-PWRCTRL1: length 25.1
  Top w0.203: 18.1,58.29 17.92,58.29 16.74,59.46 16.62,59.46 v2(16.59,59.49)
  Bottom w0.203: U2#2.33 32.54,66.12 29.4,66.12 29.14,66.38 25.72,66.38 25.57,66.53 21.97,66.53 20.8,65.36 17.76,65.36 16.48,64.07 16.48,59.53 16.51,59.49 v2(16.59,59.49)
Board_0-PWRCTRL2: length 25.1
  Top w0.203: 18.5,58.29 18.5,59 18.2,59.3 17.42,59.3 17.14,59.58 17.14,59.72 17.05,59.82 17.13,59.91 v2(17.15,59.91)
  Bottom w0.203: v2(17.15,59.91) 17.03,59.91 17.02,59.92 17.02,64.1 17.91,65 21.2,65 22.22,66.02 25.14,66.02 25.16,66.01 28.99,66.01 29.24,65.76 30.29,65.76 32.05,63.99 U2#2.32
Board_0-PWRCTRL3: length 24.3
  Top w0.203: v2(17.91,59.82) 18.23,59.82 18.9,59.15 18.9,58.29
  Bottom w0.203: v2(17.91,59.82) 17.71,60.02 17.71,60.13 17.52,60.32 17.52,64.09 18.06,64.63 21.72,64.63 22.74,65.65 28.84,65.65 29.09,65.39 30.14,65.39 32.41,63.12 33,63.12 U2#2.31
Board_0-RSTN: length 13.3
  Top w0.203: v2(26.29,52.81) 25.83,52.81 25.34,53.3 23.89,53.3
  Bottom w0.203: v2(26.29,52.81) 26.54,52.56 29.59,52.56 30.59,51.56 30.59,50.16 31.88,48.88 31.88,47.99 32.38,47.48 U2#2.19
Board_0-SCL: length 11.7
  Top w0.203: 23.89,54.1 26.1,54.1 26.58,53.62 v2(27.12,53.62)
  Bottom w0.203: v2(27.12,53.62) 29.68,53.62 31.31,51.98 31.31,51.11 32.4,50.02 U2#2.21
Board_0-SDA: length 10.8
  Top w0.203: v2(26.79,54.19) 26.61,54.19 26.31,54.5 23.89,54.5
  Bottom w0.203: U2#2.22 33,51.69 32.24,51.69 29.79,54.14 26.85,54.14 v2(26.79,54.19)
Board_0-VBUS: length 17.4
  Top w0.203: 17.51,53.3 15.98,53.3 15.37,52.69 C21#4.1
  Top w0.762: v1(11.56,53.83) 11.56,54.16 10.82,54.9 10.82,55.86 10.87,55.91 10.87,58.45 10.41,58.91 U2#2.6 ; C21#4.1 15.12,51.34 v1(14.86,51.08)
  Bottom w0.762: v1(11.56,53.83) 13.08,53.83 14.86,52.05 v1(14.86,51.08)
